# KiCad board conceptpcb.kicad_pcb
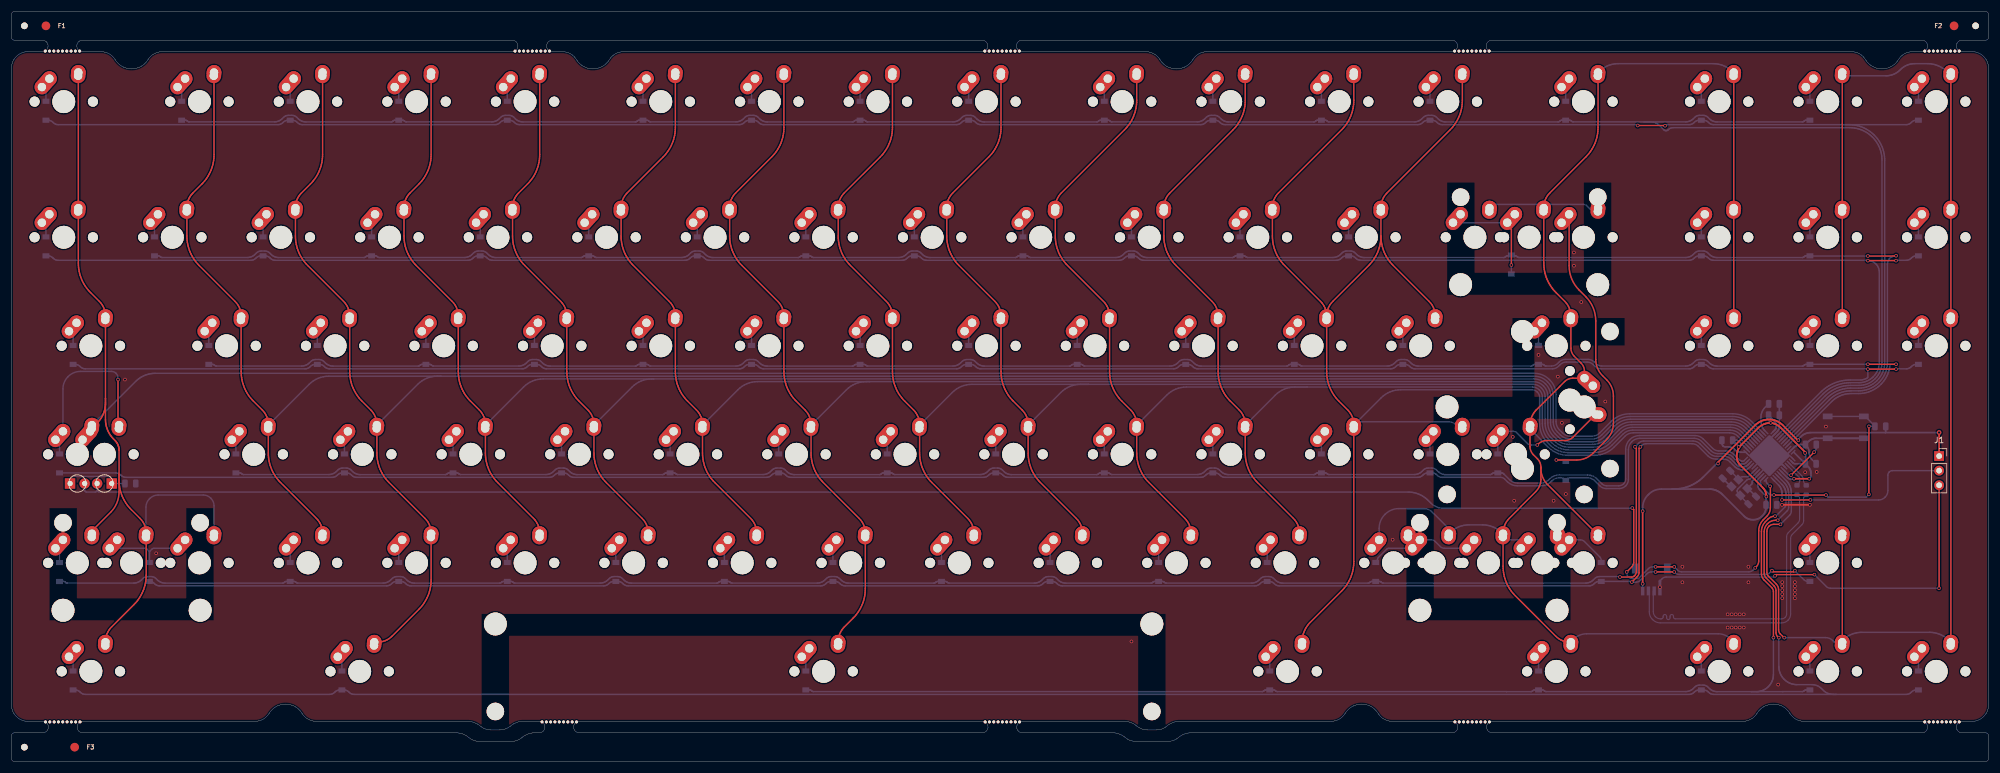
[diagram p0: board, top side]
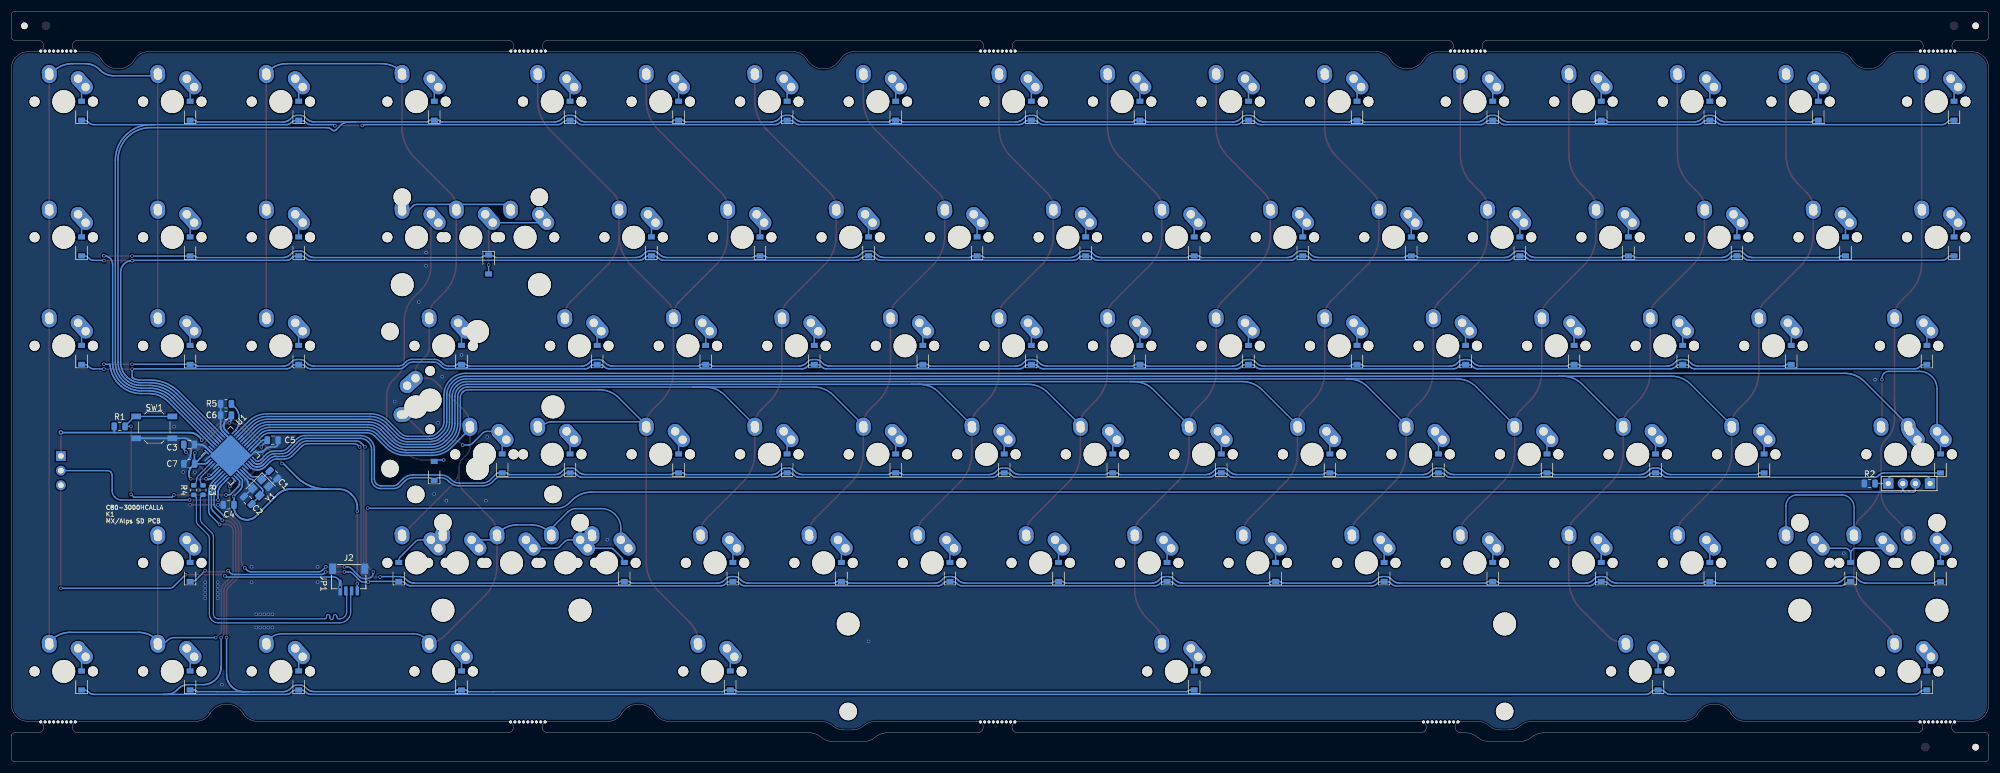
[diagram p1: board, bottom side, seen from below]

Outline 344.23 x 130.62 mm; copper layers: Top, Bottom. Coordinates in mm from the lower left corner of the outline.
Outline path: 5.38,123.62 2.85,123.62 arc(0.83,122.79) 0,120.78 0,9.85 arc(0.83,7.83) 2.85,7 5.42,7 ; 5.38,125.62 0.5,125.62 arc(0.15,125.77) 0,126.12 0,130.12 arc(0.15,130.48) 0.5,130.62 343.73,130.62 arc(344.08,130.48) 344.23,130.12 344.23,126.12 arc(344.08,125.77) 343.73,125.62 339.62,125.62 ; 5.42,5 0.5,5 arc(0.15,4.85) 0,4.5 0,0.5 arc(0.15,0.15) 0.5,0 343.73,0 arc(344.08,0.15) 344.23,0.5 344.23,4.5 arc(344.08,4.85) 343.73,5 339.62,5 ; 12.38,125.62 87.17,125.62 ; 12.38,123.62 15.6,123.62 arc(17,123.26) 18.04,122.25 arc(20.91,120.62) 23.78,122.25 arc(24.82,123.26) 26.22,123.62 87.17,123.62 ; 12.42,7 42.41,7 arc(43.82,7.37) 44.86,8.38 arc(47.73,10) 50.59,8.38 arc(51.63,7.37) 53.04,7 79.42,7 arc(80.58,6.79) 81.6,6.19 arc(82.47,5.68) 83.46,5.5 85.04,5.5 arc(86.03,5.68) 86.9,6.19 arc(87.92,6.79) 89.08,7 91.88,7 ; 12.42,5 77.42,5 arc(78.58,4.79) 79.6,4.19 arc(80.47,3.68) 81.46,3.5 87.04,3.5 arc(88.03,3.68) 88.9,4.19 arc(89.92,4.79) 91.08,5 91.88,5 ; 94.17,125.62 168.97,125.62 ; 94.17,123.62 95.93,123.62 arc(97.33,123.26) 98.37,122.25 arc(101.24,120.62) 104.11,122.25 arc(105.15,123.26) 106.55,123.62 168.97,123.62 ; 98.88,5 169.03,5 ; 98.88,7 169.03,7 ; 175.97,125.62 250.78,125.62 ; 176.03,5 191.72,5 arc(192.88,4.79) 193.9,4.19 arc(194.77,3.68) 195.76,3.5 201.34,3.5 arc(202.33,3.68) 203.2,4.19 arc(204.22,4.79) 205.38,5 250.83,5 ; 176.03,7 193.72,7 arc(194.88,6.79) 195.9,6.19 arc(196.77,5.68) 197.76,5.5 199.34,5.5 arc(200.33,5.68) 201.2,6.19 arc(202.22,6.79) 203.38,7 229.76,7 arc(231.17,7.37) 232.21,8.38 arc(235.07,10) 237.94,8.38 arc(238.98,7.37) 240.39,7 250.83,7 ; 175.97,123.62 197.51,123.62 arc(198.92,123.26) 199.96,122.25 arc(202.82,120.62) 205.69,122.25 arc(206.73,123.26) 208.14,123.62 250.78,123.62 ; 257.78,125.62 332.62,125.62 ; 257.78,123.62 320.36,123.62 arc(321.77,123.26) 322.81,122.25 arc(325.68,120.62) 328.54,122.25 arc(329.58,123.26) 330.99,123.62 332.62,123.62 ; 257.83,7 301.46,7 arc(302.87,7.37) 303.91,8.38 arc(306.78,10) 309.64,8.38 arc(310.68,7.37) 312.09,7 332.62,7 ; 257.83,5 332.62,5 ; 339.62,123.62 341.38,123.62 arc(343.39,122.79) 344.23,120.78 344.23,9.85 arc(343.39,7.83) 341.38,7 339.62,7

## Placement (name value [footprint] x y rotation side)
C1  22pF  [C_0805_2012Metric]  298.6 49.97 225 bottom
C2  22pF  [C_0805_2012Metric]  303.08 45.48 45 bottom
C3  1uF  [C_0805_2012Metric]  313.3 55.2 180 bottom
C4  10uF  [C_0805_2012Metric]  306.43 44.7 180 bottom
C5  0.1uF  [C_0805_2012Metric]  298.74 55.96 0 bottom
C6  0.1uF  [C_0805_2012Metric]  306.87 60.3 180 bottom
C7  0.1uF  [C_0805_2012Metric]  313.28 51.85 180 bottom
D1  LED  [LED_D3.0mm-Pretty]  11.46 48.42 0 top
D1#2  LED  [LED_D3.0mm-Pretty]  16.19 48.42 180 top
D2  D_Small_ALT  [D_SOD-123]  6 113.34 90 bottom
D3  D_Small_ALT  [D_SOD-123]  29.63 113.34 90 bottom
D4  D_Small_ALT  [D_SOD-123]  48.53 113.34 90 bottom
D5  D_Small_ALT  [D_SOD-123]  67.43 113.34 90 bottom
D6  D_Small_ALT  [D_SOD-123]  86.33 113.34 90 bottom
D7  D_Small_ALT  [D_SOD-123]  109.95 113.34 90 bottom
D8  D_Small_ALT  [D_SOD-123]  128.85 113.34 90 bottom
D9  D_Small_ALT  [D_SOD-123]  147.75 113.34 90 bottom
D10  D_Small_ALT  [D_SOD-123]  166.65 113.34 90 bottom
D11  D_Small_ALT  [D_SOD-123]  190.28 113.34 90 bottom
D12  D_Small_ALT  [D_SOD-123]  209.18 113.34 90 bottom
D13  D_Small_ALT  [D_SOD-123]  228.08 113.34 90 bottom
D14  D_Small_ALT  [D_SOD-123]  246.98 113.34 90 bottom
D15  D_Small_ALT  [D_SOD-123]  270.6 113.34 90 bottom
D16  D_Small_ALT  [D_SOD-123]  294.23 113.34 90 bottom
D17  D_Small_ALT  [D_SOD-123]  313.13 113.34 90 bottom
D18  D_Small_ALT  [D_SOD-123]  332.03 113.34 90 bottom
D19  D_Small_ALT  [D_SOD-123]  6 89.72 90 bottom
D20  D_Small_ALT  [D_SOD-123]  24.9 89.72 90 bottom
D21  D_Small_ALT  [D_SOD-123]  43.8 89.72 90 bottom
D22  D_Small_ALT  [D_SOD-123]  62.7 89.72 90 bottom
D23  D_Small_ALT  [D_SOD-123]  81.6 89.72 90 bottom
D24  D_Small_ALT  [D_SOD-123]  100.5 89.72 90 bottom
D25  D_Small_ALT  [D_SOD-123]  119.4 89.72 90 bottom
D26  D_Small_ALT  [D_SOD-123]  138.3 89.72 90 bottom
D27  D_Small_ALT  [D_SOD-123]  157.2 89.72 90 bottom
D28  D_Small_ALT  [D_SOD-123]  176.1 89.72 90 bottom
D29  D_Small_ALT  [D_SOD-123]  195 89.72 90 bottom
D30  D_Small_ALT  [D_SOD-123]  213.9 89.72 90 bottom
D31  D_Small_ALT  [D_SOD-123]  232.8 89.72 90 bottom
D32  D_Small_ALT  [D_SOD-123]  261.15 86.57 270 bottom
D33  D_Small_ALT  [D_SOD-123]  294.23 89.72 90 bottom
D34  D_Small_ALT  [D_SOD-123]  313.13 89.72 90 bottom
D35  D_Small_ALT  [D_SOD-123]  332.03 89.72 90 bottom
D36  D_Small_ALT  [D_SOD-123]  10.73 70.82 90 bottom
D37  D_Small_ALT  [D_SOD-123]  34.35 70.82 90 bottom
D38  D_Small_ALT  [D_SOD-123]  53.25 70.82 90 bottom
D39  D_Small_ALT  [D_SOD-123]  72.15 70.82 90 bottom
D40  D_Small_ALT  [D_SOD-123]  91.05 70.82 90 bottom
D41  D_Small_ALT  [D_SOD-123]  109.95 70.82 90 bottom
D42  D_Small_ALT  [D_SOD-123]  128.85 70.82 90 bottom
D43  D_Small_ALT  [D_SOD-123]  147.75 70.82 90 bottom
D44  D_Small_ALT  [D_SOD-123]  166.65 70.82 90 bottom
D45  D_Small_ALT  [D_SOD-123]  185.55 70.82 90 bottom
D46  D_Small_ALT  [D_SOD-123]  204.45 70.82 90 bottom
D47  D_Small_ALT  [D_SOD-123]  223.35 70.82 90 bottom
D48  D_Small_ALT  [D_SOD-123]  242.25 70.82 90 bottom
D49  D_Small_ALT  [D_SOD-123]  265.88 70.82 90 bottom
D50  D_Small_ALT  [D_SOD-123]  294.23 70.82 90 bottom
D51  D_Small_ALT  [D_SOD-123]  313.13 70.82 90 bottom
D52  D_Small_ALT  [D_SOD-123]  332.03 70.82 90 bottom
D53  D_Small_ALT  [D_SOD-123]  8.36 51.92 90 bottom
D54  D_Small_ALT  [D_SOD-123]  39.08 51.92 90 bottom
D55  D_Small_ALT  [D_SOD-123]  57.98 51.92 90 bottom
D56  D_Small_ALT  [D_SOD-123]  76.88 51.92 90 bottom
D57  D_Small_ALT  [D_SOD-123]  95.78 51.92 90 bottom
D58  D_Small_ALT  [D_SOD-123]  114.68 51.92 90 bottom
D59  D_Small_ALT  [D_SOD-123]  133.58 51.92 90 bottom
D60  D_Small_ALT  [D_SOD-123]  152.48 51.92 90 bottom
D61  D_Small_ALT  [D_SOD-123]  171.38 51.92 90 bottom
D62  D_Small_ALT  [D_SOD-123]  190.28 51.92 90 bottom
D63  D_Small_ALT  [D_SOD-123]  209.18 51.92 90 bottom
D64  D_Small_ALT  [D_SOD-123]  228.08 51.92 90 bottom
D65  D_Small_ALT  [D_SOD-123]  258.79 51.92 90 bottom
D66  D_Small_ALT  [D_SOD-123]  270.63 50.62 90 bottom
D67  D_Small_ALT  [D_SOD-123]  24.01 33.02 90 bottom
D68  D_Small_ALT  [D_SOD-123]  48.53 33.02 90 bottom
D69  D_Small_ALT  [D_SOD-123]  67.43 33.02 90 bottom
D70  D_Small_ALT  [D_SOD-123]  86.33 33.02 90 bottom
D71  D_Small_ALT  [D_SOD-123]  105.23 33.02 90 bottom
D72  D_Small_ALT  [D_SOD-123]  124.13 33.02 90 bottom
D73  D_Small_ALT  [D_SOD-123]  143.03 33.02 90 bottom
D74  D_Small_ALT  [D_SOD-123]  161.93 33.02 90 bottom
D75  D_Small_ALT  [D_SOD-123]  180.83 33.02 90 bottom
D76  D_Small_ALT  [D_SOD-123]  199.73 33.02 90 bottom
D77  D_Small_ALT  [D_SOD-123]  218.63 33.02 90 bottom
D78  D_Small_ALT  [D_SOD-123]  237.53 33.02 90 bottom
D79  D_Small_ALT  [D_SOD-123]  276.8 33.02 90 bottom
D80  D_Small_ALT  [D_SOD-123]  313.13 33.02 90 bottom
D81  D_Small_ALT  [D_SOD-123]  10.73 14.12 90 bottom
D82  D_Small_ALT  [D_SOD-123]  246.98 51.92 90 bottom
D83  D_Small_ALT  [D_SOD-123]  57.53 14.12 90 bottom
D84  D_Small_ALT  [D_SOD-123]  138.3 14.12 90 bottom
D85  D_Small_ALT  [D_SOD-123]  219.08 14.12 90 bottom
D86  D_Small_ALT  [D_SOD-123]  8.36 33 90 bottom
D87  D_Small_ALT  [D_SOD-123]  265.88 14.12 90 bottom
D88  D_Small_ALT  [D_SOD-123]  294.23 14.12 90 bottom
D89  D_Small_ALT  [D_SOD-123]  313.13 14.12 90 bottom
D90  D_Small_ALT  [D_SOD-123]  332.03 14.12 90 bottom
F1  MountingHole  [Fiducial_1.5mm_Mask3mm]  6 128.12 0 top
F2  MountingHole  [Fiducial_1.5mm_Mask3mm]  338.23 128.12 0 top
F3  MountingHole  [Fiducial_1.5mm_Mask3mm]  11 2.5 0 top
H3  MountingHole  [breakaway-mousebites]  90.67 123.62 0 top
H4  MountingHole  [breakaway-mousebites]  336.12 7 180 top
H5  MountingHole  [breakaway-mousebites]  8.92 7 180 top
H6  MountingHole  [breakaway-mousebites]  254.28 123.62 0 top
H7  MountingHole  [breakaway-mousebites]  95.38 7 180 top
H8  MountingHole  [breakaway-mousebites]  8.88 123.62 0 top
H9  MountingHole  [breakaway-mousebites]  336.12 123.62 0 top
H10  MountingHole  [breakaway-mousebites]  172.47 123.62 0 top
H11  MountingHole  [breakaway-mousebites]  254.33 7 180 top
H12  MountingHole  [breakaway-mousebites]  172.53 7 180 top
H14  MountingHole  [xcalla]  332.03 40.1 180 bottom
H16  MountingHole  [tooling hole#2]  2.25 2 0 top
H17  MountingHole  [tooling hole]  2.25 128.12 0 top
H18  MountingHole  [tooling hole]  341.98 128.12 0 top
J1  Conn_01x03_Female  [PinSocket_1x03_P2.54mm_Vertical]  335.62 53.2 0 top
J2  Conn_01x04  [JST-SR-4]  285.51 34.48 0 bottom
JP1  Jumper_2_Bridged  [NetTie-2_SMD_Pad0.5mm]  287.01 30.95 90 bottom
MX1  MX-NoLED  [MX-1U-NoLED]  9.1 114.92 0 top
MX2  MX-NoLED  [MX-1U-NoLED]  32.73 114.92 0 top
MX3  MX-NoLED  [MX-1U-NoLED]  51.62 114.92 0 top
MX4  MX-NoLED  [MX-1U-NoLED]  70.53 114.92 0 top
MX5  MX-NoLED  [MX-1U-NoLED]  89.42 114.92 0 top
MX6  MX-NoLED  [MX-1U-NoLED]  113.05 114.92 0 top
MX7  MX-NoLED  [MX-1U-NoLED]  131.95 114.92 0 top
MX8  MX-NoLED  [MX-1U-NoLED]  150.85 114.92 0 top
MX9  MX-NoLED  [MX-1U-NoLED]  169.75 114.92 0 top
MX10  MX-NoLED  [MX-1U-NoLED]  193.38 114.92 0 top
MX11  MX-NoLED  [MX-1U-NoLED]  212.28 114.92 0 top
MX12  MX-NoLED  [MX-1U-NoLED]  231.18 114.92 0 top
MX13  MX-NoLED  [MX-1U-NoLED]  250.08 114.92 0 top
MX14  MX-NoLED  [MX-1U-NoLED]  273.7 114.92 0 top
MX15  MX-NoLED  [MX-1U-NoLED]  297.33 114.92 0 top
MX16  MX-NoLED  [MX-1U-NoLED]  316.23 114.92 0 top
MX17  MX-NoLED  [MX-1U-NoLED]  335.12 114.92 0 top
MX18  MX-NoLED  [MX-1U-NoLED]  9.1 91.3 0 top
MX19  MX-NoLED  [MX-1U-NoLED]  28 91.3 0 top
MX20  MX-NoLED  [MX-1U-NoLED]  46.9 91.3 0 top
MX21  MX-NoLED  [MX-1U-NoLED]  65.8 91.3 0 top
MX22  MX-NoLED  [MX-1U-NoLED]  84.7 91.3 0 top
MX23  MX-NoLED  [MX-1U-NoLED]  103.6 91.3 0 top
MX24  MX-NoLED  [MX-1U-NoLED]  122.5 91.3 0 top
MX25  MX-NoLED  [MX-1U-NoLED]  141.4 91.3 0 top
MX26  MX-NoLED  [MX-1U-NoLED]  160.3 91.3 0 top
MX27  MX-NoLED  [MX-1U-NoLED]  179.2 91.3 0 top
MX28  MX-NoLED  [MX-1U-NoLED]  198.1 91.3 0 top
MX29  MX-NoLED  [MX-1U-NoLED]  217 91.3 0 top
MX30  MX-NoLED  [MX-1U-NoLED]  235.9 91.3 0 top
MX31  MX-NoLED  [MX-1U-NoLED]  297.33 91.3 0 top
MX32  MX-NoLED  [MX-1U-NoLED]  316.23 91.3 0 top
MX33  MX-NoLED  [MX-1U-NoLED]  335.12 91.3 0 top
MX34  MX-NoLED  [MX-1.5U-NoLED]  13.83 72.4 0 top
MX35  MX-NoLED  [MX-1U-NoLED]  37.45 72.4 0 top
MX36  MX-NoLED  [MX-1U-NoLED]  56.35 72.4 0 top
MX37  MX-NoLED  [MX-1U-NoLED]  75.25 72.4 0 top
MX38  MX-NoLED  [MX-1U-NoLED]  94.15 72.4 0 top
MX39  MX-NoLED  [MX-1U-NoLED]  113.05 72.4 0 top
MX40  MX-NoLED  [MX-1U-NoLED]  131.95 72.4 0 top
MX41  MX-NoLED  [MX-1U-NoLED]  150.85 72.4 0 top
MX42  MX-NoLED  [MX-1U-NoLED]  169.75 72.4 0 top
MX43  MX-NoLED  [MX-1U-NoLED]  188.65 72.4 0 top
MX44  MX-NoLED  [MX-1U-NoLED]  207.55 72.4 0 top
MX45  MX-NoLED  [MX-1U-NoLED]  226.45 72.4 0 top
MX46  MX-NoLED  [MX-1U-NoLED]  245.35 72.4 0 top
MX47  MX-NoLED  [MX-1U-NoLED]  297.33 72.4 0 top
MX48  MX-NoLED  [MX-1U-NoLED]  316.23 72.4 0 top
MX49  MX-NoLED  [MX-1U-NoLED]  335.12 72.4 0 top
MX50  MX-NoLED  [MX-1.75U-NoLED]  11.46 53.5 0 top
MX51  MX-NoLED  [MX-1.75U-NoLED]  16.19 53.5 0 top
MX52  MX-NoLED  [MX-1U-NoLED]  42.17 53.5 0 top
MX53  MX-NoLED  [MX-1U-NoLED]  61.08 53.5 0 top
MX54  MX-NoLED  [MX-1U-NoLED]  79.97 53.5 0 top
MX55  MX-NoLED  [MX-1U-NoLED]  98.88 53.5 0 top
MX56  MX-NoLED  [MX-1U-NoLED]  117.78 53.5 0 top
MX57  MX-NoLED  [MX-1U-NoLED]  136.68 53.5 0 top
MX58  MX-NoLED  [MX-1U-NoLED]  155.57 53.5 0 top
MX59  MX-NoLED  [MX-1U-NoLED]  174.47 53.5 0 top
MX60  MX-NoLED  [MX-1U-NoLED]  193.38 53.5 0 top
MX61  MX-NoLED  [MX-1U-NoLED]  212.28 53.5 0 top
MX62  MX-NoLED  [MX-1U-NoLED]  231.18 53.5 0 top
MX63  MX-NoLED  [MX-2.25U-NoLED]  20.91 34.6 0 top
MX64  MX-NoLED  [MX-1U-NoLED]  51.62 34.6 0 top
MX65  MX-NoLED  [MX-1U-NoLED]  70.53 34.6 0 top
MX66  MX-NoLED  [MX-1U-NoLED]  89.42 34.6 0 top
MX67  MX-NoLED  [MX-1U-NoLED]  108.33 34.6 0 top
MX68  MX-NoLED  [MX-1U-NoLED]  127.22 34.6 0 top
MX69  MX-NoLED  [MX-1U-NoLED]  146.12 34.6 0 top
MX70  MX-NoLED  [MX-1U-NoLED]  165.03 34.6 0 top
MX71  MX-NoLED  [MX-1U-NoLED]  183.93 34.6 0 top
MX72  MX-NoLED  [MX-1U-NoLED]  202.82 34.6 0 top
MX73  MX-NoLED  [MX-1U-NoLED]  221.72 34.6 0 top
MX74  MX-NoLED  [MX-1U-NoLED]  316.23 34.6 0 top
MX75  MX-NoLED  [MX-1.5U-NoLED]  13.83 15.7 0 top
MX77  MX-NoLED  [MX-1.5U-NoLED]  60.62 15.7 0 top
MX78  MX-NoLED  [MX-7U-ReversedStabilizers-NoLED]  141.4 15.7 0 top
MX79  MX-NoLED  [MX-1.5U-NoLED]  222.18 15.7 0 top
MX81  MX-NoLED  [MX-1.5U-NoLED]  268.98 15.7 0 top
MX82  MX-NoLED  [MX-1U-NoLED]  297.33 15.7 0 top
MX83  MX-NoLED  [MX-1U-NoLED]  316.23 15.7 0 top
MX84  MX-NoLED  [MX-1U-NoLED]  335.12 15.7 0 top
MX_backspace_1  MX-NoLED  [MX-2U-NoLED]  264.25 91.3 0 top
MX_backspace_2  MX-NoLED  [MX-1U-NoLED]  254.8 91.3 0 top
MX_backspace_3  MX-NoLED  [MX-1U-NoLED]  273.7 91.3 0 top
MX_enter1  MX-NoLED  [MX-2.25U-ReversedStabilizers-NoLED]  261.89 53.5 0 top
MX_enter2  MX-NoLED  [MX-ISO-ReversedStabilizers]  271.34 62.95 0 top
MX_enterISO1  MX-NoLED  [MX-1U-NoLED]  250.08 53.5 0 top
MX_LSHIFT2  MX-NoLED  [MX-1U-NoLED]  32.73 34.6 0 top
MX_LSHIFT23  MX-NoLED  [MX-1.25U-NoLED]  11.46 34.6 0 top
MX_rshift1  MX-NoLED  [MX-2.75U-NoLED]  257.16 34.6 0 top
MX_rtab_1  MX-NoLED  [MX-1.5U-NoLED]  268.98 72.4 0 top
MX_splitrshift1  MX-NoLED  [MX-1.75U-NoLED]  247.71 34.6 0 top
MX_splitrshift2  MX-NoLED  [MX-1U-NoLED]  273.7 34.6 0 top
MX_splitrshiftISO1  MX-NoLED  [MX-1U-NoLED]  240.62 34.6 0 top
MX_splitrshiftISO2  MX-NoLED  [MX-1.75U-NoLED]  266.61 34.6 0 top
R1  10k  [R_0805_2012Metric]  325.39 58.37 180 bottom
R2  10k  [R_0805_2012Metric]  20.7 48.42 180 bottom
R3  22  [R_0603_1608Metric]  310.88 47.27 270 bottom
R4  22  [R_0603_1608Metric]  312.49 47.27 270 bottom
R5  1k  [R_0805_2012Metric]  306.87 62.29 180 bottom
SW1  SW_Push  [SW_SPST_TL3342]  319.37 58.2 0 bottom
U1  ATmega32U4-MU  [QFN-44-1EP_7x7mm_P0.5mm_EP5.2x5.2mm]  306.08 53.27 135 bottom
Y1  Crystal_GND24  [Crystal_SMD_3225-4Pin_3.2x2.5mm]  300.84 47.72 315 bottom

## Library data of the parts
C1-C7 = -: Description: Unpolarized capacitor
D1 D1#2 = -: Description: Light emitting diode
H14 = -: Description: Mounting Hole without connection
J1 = -: Description: Generic connector, single row, 01x03, script generated (kicad-library-utils/schlib/autogen/connector/)
J2 = -: Description: Generic connector, single row, 01x04, script generated (kicad-library-utils/schlib/autogen/connector/)
JP1 = -: Description: Jumper, 2-pole, closed/bridged
R1-R5 = -: Description: Resistor
SW1 = -: Description: Push button switch, generic, two pins
Y1 = -: Description: Four pin crystal, GND on pins 2 and 4

## Footprints (pads in the part's own frame, mm; a bottom-side part is the same pattern mirrored in y, then rotated)
breakaway-mousebites
  round 0.5 hole 0.5 unplated: (-3,0.104) (-2.25,0.104) (-1.5,0.104) (-0.75,0.104) (0,0.104) (0.75,0.104) (1.5,0.104) (2.25,0.104) (3,0.104)
C_0805_2012Metric
  rrect 0.975x1.4 smd: 1(-0.938,0) 2(0.938,0)
Crystal_SMD_3225-4Pin_3.2x2.5mm
  rect 1.4x1.2 smd: 1(1.1,-0.85) 2(-1.1,-0.85) 3(-1.1,0.85) 4(1.1,0.85)
D_SOD-123
  rect 0.9x1.2 smd: 1(-1.65,0) 2(1.65,0)
Fiducial_1.5mm_Mask3mm
  round 1.5 smd: (0,0)
JST-SR-4
  rect 0.6x1.55 smd: 1(-1.5,4.775) 2(-0.5,4.775) 3(0.5,4.775) 4(1.5,4.775)
  rect 1.2x1.8 smd: 4(-2.8,0.9) 4(2.8,0.9)
LED_D3.0mm-Pretty
  rect 1.8x1.8 hole 0.9: 1(-1.27,0)
  round 1.8 hole 0.9: 2(1.27,0)
MX-1.5U-NoLED
  round 1.75 hole 1.75 unplated: (-5.08,0) (5.08,0)
  round 3.988 hole 3.988 unplated: (0,0)
  oval 4.512x2.55 hole 1.47 rot 48.1: 1(-3.81,2.54)
  round 2.55 hole 1.47: 1(-2.5,4) 2(2.54,5.08)
  oval 3.131x2.55 hole 1.47 rot 86.1: 2(2.5,4.5)
MX-1.25U-NoLED
  round 1.75 hole 1.75 unplated: (-5.08,0) (5.08,0)
  round 3.988 hole 3.988 unplated: (0,0)
  oval 4.512x2.55 hole 1.47 rot 48.1: 1(-3.81,2.54)
  round 2.55 hole 1.47: 1(-2.5,4) 2(2.54,5.08)
  oval 3.131x2.55 hole 1.47 rot 86.1: 2(2.5,4.5)
MX-1.75U-NoLED
  round 1.75 hole 1.75 unplated: (-5.08,0) (5.08,0)
  round 3.988 hole 3.988 unplated: (0,0)
  oval 4.512x2.55 hole 1.47 rot 48.1: 1(-3.81,2.54)
  round 2.55 hole 1.47: 1(-2.5,4) 2(2.54,5.08)
  oval 3.131x2.55 hole 1.47 rot 86.1: 2(2.5,4.5)
MX-1U-NoLED
  round 1.75 hole 1.75 unplated: (-5.08,0) (5.08,0)
  round 3.988 hole 3.988 unplated: (0,0)
  oval 4.512x2.55 hole 1.47 rot 48.1: 1(-3.81,2.54)
  round 2.55 hole 1.47: 1(-2.5,4) 2(2.54,5.08)
  oval 3.131x2.55 hole 1.47 rot 86.1: 2(2.5,4.5)
MX-2.25U-NoLED
  round 3.048 hole 3.048 unplated: (-11.938,6.985) (11.938,6.985)
  round 3.988 hole 3.988 unplated: (-11.938,-8.255) (0,0) (11.938,-8.255)
  round 1.75 hole 1.75 unplated: (-5.08,0) (5.08,0)
  oval 4.512x2.55 hole 1.47 rot 48.1: 1(-3.81,2.54)
  round 2.55 hole 1.47: 1(-2.5,4) 2(2.54,5.08)
  oval 3.131x2.55 hole 1.47 rot 86.1: 2(2.5,4.5)
MX-2.25U-ReversedStabilizers-NoLED
  round 3.988 hole 3.988 unplated: (-11.938,8.255) (0,0) (11.938,8.255)
  round 3.048 hole 3.048 unplated: (-11.938,-6.985) (11.938,-6.985)
  round 1.75 hole 1.75 unplated: (-5.08,0) (5.08,0)
  oval 4.512x2.55 hole 1.47 rot 48.1: 1(-3.81,2.54)
  round 2.55 hole 1.47: 1(-2.5,4) 2(2.54,5.08)
  oval 3.131x2.55 hole 1.47 rot 86.1: 2(2.5,4.5)
MX-2.75U-NoLED
  round 3.048 hole 3.048 unplated: (-11.938,6.985) (11.938,6.985)
  round 3.988 hole 3.988 unplated: (-11.938,-8.255) (0,0) (11.938,-8.255)
  round 1.75 hole 1.75 unplated: (-5.08,0) (5.08,0)
  oval 4.512x2.55 hole 1.47 rot 48.1: 1(-3.81,2.54)
  round 2.55 hole 1.47: 1(-2.5,4) 2(2.54,5.08)
  oval 3.131x2.55 hole 1.47 rot 86.1: 2(2.5,4.5)
MX-2U-NoLED
  round 3.048 hole 3.048 unplated: (-11.938,6.985) (11.938,6.985)
  round 3.988 hole 3.988 unplated: (-11.938,-8.255) (-0.009,0.01) (11.938,-8.255)
  round 1.75 hole 1.75 unplated: (-5.089,0.01) (5.071,0.01)
  oval 4.512x2.55 hole 1.47 rot 48.1: 1(-3.819,2.55)
  round 2.55 hole 1.47: 1(-2.509,4.01) 2(2.531,5.09)
  oval 3.131x2.55 hole 1.47 rot 86.1: 2(2.491,4.51)
MX-7U-ReversedStabilizers-NoLED
  round 3.988 hole 3.988 unplated: (-57.15,8.255) (0,0) (57.15,8.255)
  round 3.048 hole 3.048 unplated: (-57.15,-6.985) (57.15,-6.985)
  round 1.75 hole 1.75 unplated: (-5.08,0) (5.08,0)
  oval 4.512x2.55 hole 1.47 rot 48.1: 1(-3.81,2.54)
  round 2.55 hole 1.47: 1(-2.5,4) 2(2.54,5.08)
  oval 3.131x2.55 hole 1.47 rot 86.1: 2(2.5,4.5)
MX-ISO-ReversedStabilizers
  round 3.988 hole 3.988 unplated: (-8.255,11.938) (-8.255,-11.938) (0,0)
  round 1.702 hole 1.702 unplated: (0,5.08) (0,-5.08)
  round 3.048 hole 3.048 unplated: (6.985,11.938) (6.985,-11.938)
  oval 3.131x2.55 hole 1.47 rot 176.1: 1(4.5,-2.5)
  round 2.55 hole 1.47: 1(5.08,-2.54) 2(4,2.5)
  oval 4.512x2.55 hole 1.47 rot 138.1: 2(2.54,3.81)
NetTie-2_SMD_Pad0.5mm
  round 0.5 smd: 1(-0.5,0) 2(0.5,0)
PinSocket_1x03_P2.54mm_Vertical
  rect 1.7x1.7 hole 1: 1(0,0)
  oval 1.7x1.7 hole 1: 2(0,-2.54) 3(0,-5.08)
QFN-44-1EP_7x7mm_P0.5mm_EP5.2x5.2mm
  rrect 1.05x1.05 smd: (-1.95,-1.95) (-1.95,-0.65) (-1.95,0.65) (-1.95,1.95) (-0.65,-1.95) (-0.65,-0.65) (-0.65,0.65) (-0.65,1.95) (0.65,-1.95) (0.65,-0.65) (0.65,0.65) (0.65,1.95) (1.95,-1.95) (1.95,-0.65) (1.95,0.65) (1.95,1.95)
  rrect 1.075x0.25 smd: 1(-3.337,2.5) 2(-3.337,2) 3(-3.337,1.5) 4(-3.337,1) 5(-3.337,0.5) 6(-3.337,0) 7(-3.337,-0.5) 8(-3.337,-1) 9(-3.337,-1.5) 10(-3.337,-2) 11(-3.337,-2.5) 23(3.337,-2.5) 24(3.337,-2) 25(3.337,-1.5) 26(3.337,-1) 27(3.337,-0.5) 28(3.337,0) 29(3.337,0.5) 30(3.337,1) 31(3.337,1.5) 32(3.337,2) 33(3.337,2.5)
  rrect 0.25x1.075 smd: 12(-2.5,-3.337) 13(-2,-3.337) 14(-1.5,-3.337) 15(-1,-3.337) 16(-0.5,-3.337) 17(0,-3.337) 18(0.5,-3.337) 19(1,-3.337) 20(1.5,-3.337) 21(2,-3.337) 22(2.5,-3.337) 34(2.5,3.337) 35(2,3.337) 36(1.5,3.337) 37(1,3.337) 38(0.5,3.337) 39(0,3.337) 40(-0.5,3.337) 41(-1,3.337) 42(-1.5,3.337) 43(-2,3.337) 44(-2.5,3.337)
  rrect 5.2x5.2 smd: 45(0,0)
R_0603_1608Metric
  rrect 0.8x0.95 smd: 1(-0.825,0) 2(0.825,0)
R_0805_2012Metric
  rrect 0.975x1.4 smd: 1(-0.938,0) 2(0.938,0)
SW_SPST_TL3342
  rect 1.7x1 smd: 1(-3.15,1.9) 1(3.15,1.9) 2(-3.15,-1.9) 2(3.15,-1.9)
tooling hole
  round 1.152 hole 1.152 unplated: (0,0)
tooling hole#2
  round 1.152 hole 1.152 unplated: (0,0.5)
